# KiCad board Supplemental Monitoring PCB.kicad_pcb
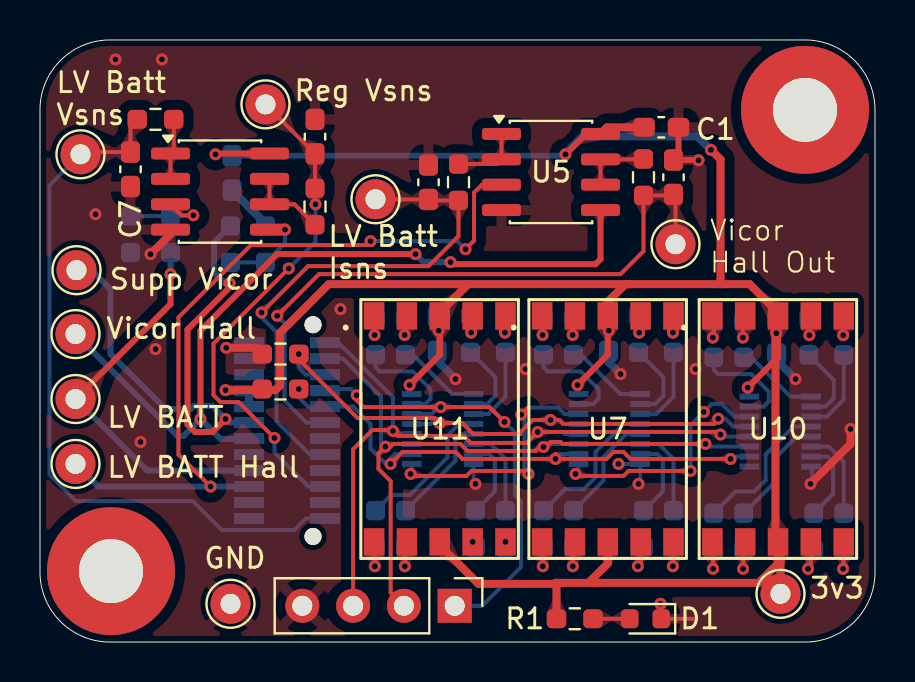
[diagram p0: board, top side]
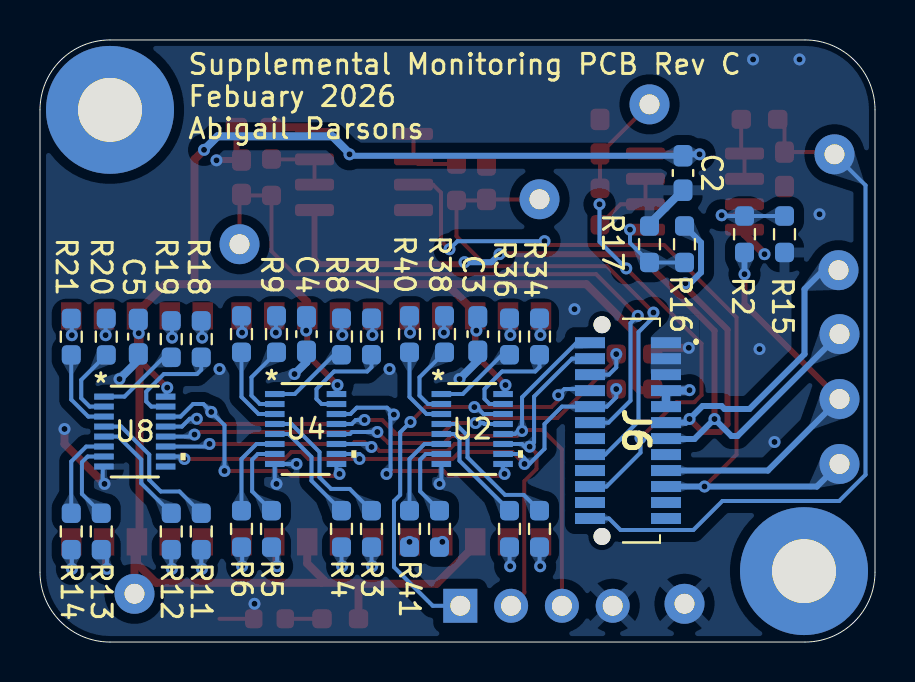
[diagram p1: board, bottom side, seen from below]

Outline 41.75 x 30.14 mm; copper layers: Top, Bottom. Coordinates in mm from the lower left corner of the outline.
Outline path: 0,26.64 arc(1.03,29.11) 3.5,30.14 38.25,30.14 arc(40.72,29.11) 41.75,26.64 41.75,3.5 arc(40.72,1.03) 38.25,0 3.5,0 arc(1.03,1.03) 0,3.5 0,26.64

## Placement (name value [footprint] x y rotation side)
BATT_HALL_IN1  TestPoint  [TestPoint_THTPad_D2.0mm_Drill1.0mm]  1.78 8.91 0 top
BATT_HALL_OUT1  TestPoint  [TestPoint_THTPad_D2.0mm_Drill1.0mm]  16.78 22.16 0 top
C1  1u  [C_0603_1608Metric_Pad1.08x0.95mm_HandSolder]  31.06 25.77 0 top
C2  1u  [C_0603_1608Metric_Pad1.08x0.95mm_HandSolder]  9.6 23.48 270 bottom
C3  .1u  [C_0603_1608Metric_Pad1.08x0.95mm_HandSolder]  19.86 15.41 270 bottom
C4  .1u  [C_0603_1608Metric_Pad1.08x0.95mm_HandSolder]  28.43 15.41 270 bottom
C5  .1u  [C_0603_1608Metric_Pad1.08x0.95mm_HandSolder]  36.83 15.29 270 bottom
C6  1u  [C_0603_1608Metric_Pad1.08x0.95mm_HandSolder]  19.43 23.02 90 top
C7  1u  [C_0603_1608Metric_Pad1.08x0.95mm_HandSolder]  4.53 23.66 270 top
C8  1u  [C_0603_1608Metric_Pad1.08x0.95mm_HandSolder]  31.68 23.27 90 top
C9  1u  [C_0603_1608Metric_Pad1.08x0.95mm_HandSolder]  13.75 25.3 90 top
D1  LED  [LED_0603_1608Metric]  30.28 1.16 180 top
GND1  TestPoint  [TestPoint_THTPad_D2.0mm_Drill1.0mm]  9.53 1.91 0 top
H1  MountingHole_Pad_MP  [MountingHole_3.2mm_M3_Pad_TopBottom]  38.25 26.64 0 top  (not fitted)
H2  MountingHole_Pad_MP  [MountingHole_3.2mm_M3_Pad_TopBottom]  3.55 3.55 0 top  (not fitted)
J1  Conn_01x04  [PinHeader_1x04_P2.54mm_Vertical]  20.74 1.81 270 top  (not fitted)
J6  52465-2470  [524652470]  12.35 10.59 90 bottom
LOGO1  Dr. Hallock  [LHRs_LOGO]  27.78 28.41 0 top  (not fitted)
R1  1k  [R_0603_1608Metric_Pad0.98x0.95mm_HandSolder]  26.74 1.16 0 top
R2  10k  [R_0603_1608Metric_Pad0.98x0.95mm_HandSolder]  6.53 20.41 90 bottom
R3  470  [R_0603_1608Metric_Pad0.98x0.95mm_HandSolder]  25.18 5.66 270 bottom
R4  470  [R_0603_1608Metric_Pad0.98x0.95mm_HandSolder]  26.68 5.66 270 bottom
R5  470  [R_0603_1608Metric_Pad0.98x0.95mm_HandSolder]  30.18 5.66 270 bottom
R6  470  [R_0603_1608Metric_Pad0.98x0.95mm_HandSolder]  31.68 5.66 270 bottom
R7  470  [R_0603_1608Metric_Pad0.98x0.95mm_HandSolder]  25.18 15.29 270 bottom
R8  470  [R_0603_1608Metric_Pad0.98x0.95mm_HandSolder]  26.68 15.29 270 bottom
R9  470  [R_0603_1608Metric_Pad0.98x0.95mm_HandSolder]  29.93 15.41 270 bottom
R10  470  [R_0603_1608Metric_Pad0.98x0.95mm_HandSolder]  31.68 15.41 270 bottom
R11  470  [R_0603_1608Metric_Pad0.98x0.95mm_HandSolder]  33.69 5.54 270 bottom
R12  470  [R_0603_1608Metric_Pad0.98x0.95mm_HandSolder]  35.19 5.54 270 bottom
R13  470  [R_0603_1608Metric_Pad0.98x0.95mm_HandSolder]  38.69 5.54 270 bottom
R14  470  [R_0603_1608Metric_Pad0.98x0.95mm_HandSolder]  40.19 5.54 270 bottom
R15  1k  [R_0603_1608Metric_Pad0.98x0.95mm_HandSolder]  4.53 20.41 270 bottom
R16  10k  [R_0603_1608Metric_Pad0.98x0.95mm_HandSolder]  9.53 19.91 270 bottom
R17  1k  [R_0603_1608Metric_Pad0.98x0.95mm_HandSolder]  11.28 19.91 90 bottom
R18  470  [R_0603_1608Metric_Pad0.98x0.95mm_HandSolder]  33.69 15.16 270 bottom
R19  470  [R_0603_1608Metric_Pad0.98x0.95mm_HandSolder]  35.19 15.16 270 bottom
R20  470  [R_0603_1608Metric_Pad0.98x0.95mm_HandSolder]  38.44 15.29 270 bottom
R21  470  [R_0603_1608Metric_Pad0.98x0.95mm_HandSolder]  40.19 15.29 270 bottom
R22  1k  [R_0603_1608Metric_Pad0.98x0.95mm_HandSolder]  12.03 12.66 0 top
R23  1k  [R_0603_1608Metric_Pad0.98x0.95mm_HandSolder]  12.03 14.41 180 top
R30  150  [R_0603_1608Metric_Pad0.98x0.95mm_HandSolder]  20.93 23.02 270 top
R31  150  [R_0603_1608Metric_Pad0.98x0.95mm_HandSolder]  5.78 26.16 180 top
R32  150  [R_0603_1608Metric_Pad0.98x0.95mm_HandSolder]  30.18 23.27 270 top
R33  150  [R_0603_1608Metric_Pad0.98x0.95mm_HandSolder]  13.75 21.8 90 top
R34  470  [R_0603_1608Metric_Pad0.98x0.95mm_HandSolder]  16.78 15.29 270 bottom
R35  470  [R_0603_1608Metric_Pad0.98x0.95mm_HandSolder]  16.78 5.66 270 bottom
R36  470  [R_0603_1608Metric_Pad0.98x0.95mm_HandSolder]  18.28 15.29 270 bottom
R37  470  [R_0603_1608Metric_Pad0.98x0.95mm_HandSolder]  18.28 5.66 270 bottom
R38  470  [R_0603_1608Metric_Pad0.98x0.95mm_HandSolder]  21.53 15.41 270 bottom
R39  470  [R_0603_1608Metric_Pad0.98x0.95mm_HandSolder]  21.78 5.66 270 bottom
R40  470  [R_0603_1608Metric_Pad0.98x0.95mm_HandSolder]  23.28 15.41 270 bottom
R41  470  [R_0603_1608Metric_Pad0.98x0.95mm_HandSolder]  23.28 5.66 270 bottom
REG_HALL_IN1  TestPoint  [TestPoint_THTPad_D2.0mm_Drill1.0mm]  1.78 15.41 0 top
REG_HALL_OUT1  TestPoint  [TestPoint_THTPad_D2.0mm_Drill1.0mm]  31.78 19.91 0 top
SUPP_BATT1  TestPoint  [TestPoint_THTPad_D2.0mm_Drill1.0mm]  1.78 12.16 0 top
SUPP_BATT_SNS1  TestPoint  [TestPoint_THTPad_D2.0mm_Drill1.0mm]  2.03 24.41 0 top
SUPP_REG1  TestPoint  [TestPoint_THTPad_D2.0mm_Drill1.0mm]  1.83 18.62 0 top
SUPP_REG_SNS1  TestPoint  [TestPoint_THTPad_D2.0mm_Drill1.0mm]  11.28 26.91 0 top
TP_3V3  TestPoint  [TestPoint_THTPad_D2.0mm_Drill1.0mm]  37.03 2.41 0 top
U2  SN74HCS595DYYR  [SNx4HC595]  20.14 10.66 180 bottom
U4  SN74HCS595DYYR  [SNx4HC595]  28.47 10.66 180 bottom
U5  TLV9002QDRQ1  [SOIC-8_3.9x4.9mm_P1.27mm]  25.55 23.53 0 top
U6  TLV9002QDRQ1  [SOIC-8_3.9x4.9mm_P1.27mm]  9 22.55 0 top
U7  INND-SS30RAB  [INND-TS30RAB_INL]  28.38 10.66 0 top
U8  SN74HCS595DYYR  [SNx4HC595]  37.01 10.54 180 bottom
U10  INND-SS30RAB  [INND-TS30RAB_INL]  36.89 10.66 0 top
U11  INND-SS30RAB  [INND-TS30RAB_INL]  19.98 10.66 0 top

## Library data of the parts
BATT_HALL_IN1 BATT_HALL_OUT1 GND1 REG_HALL_IN1 REG_HALL_OUT1 SUPP_BATT1 SUPP_BATT_SNS1 SUPP_REG1 SUPP_REG_SNS1 TP_3V3 = -: Description: test point; ki_fp_filters: Pin* Test*
C1 C2 C6-C9 = -: Datasheet: https://www.mouser.com/ProductDetail/TAIYO-YUDEN/MLASU168SB5105KTNA01?qs=tlsG%2FOw5FFhPjKzzJZMnOQ%3D%3D&srsltid=AfmBOopTmNZI1MJAy5Nn6miLNrdMskjq2-HNO_ept_00EARSQ8Pm_sfv; Description: 1uF capacitor; P/N: MLASU168SB5105KTNA01; LCSC P/N: C15849; ki_fp_filters: C_*
C3-C5 = -: Datasheet: https://www.mouser.com/ProductDetail/TAIYO-YUDEN/MLASH168SB7104KTNA01?qs=tlsG%2FOw5FFi7JK68L1DgIQ%3D%3D&srsltid=AfmBOoq5hBtrZyjOyibA70iXa6JkBoNOb9v9R9h6wL8XASIJhDLizNJX; Description: .1uF cap; P/N: MLASH168SB7104KTNA01; LCSC P/N: C14663; ki_fp_filters: C_*
D1 = -: Datasheet: https://www.digikey.com/en/products/detail/xinglight/XL-1608UBC-06A/25673128; Description: Blue LED; P/N: XL-1608UBC-06A; LCSC P/N: C7371904; ki_fp_filters: LED* LED_SMD:* LED_THT:*
H1 H2 = -: Description: Mounting Hole with connection as pad named MP; ki_fp_filters: MountingHole*Pad*
J1 = -: Description: Generic connector, single row, 01x04, script generated (kicad-library-utils/schlib/autogen/connector/); ki_fp_filters: Connector*:*_1x??_*
J6 = -: Datasheet: https://www.molex.com/pdm_docs/sd/524652470_sd.pdf; Description: 24 pin board-board connector; Height: 3.55; Mouser Part Number: 538-52465-2470; Mouser Price/Stock: https://www.mouser.co.uk/ProductDetail/Molex/52465-2470?qs=sEN%2FkO1EG6Yhu4DkZwbE7Q%3D%3D; Manufacturer_Name: Molex
LOGO1 = -: Description: Graph footprint placeholder
R1 R15 R17 R22 R23 = -: Description: Resistor; P/N: CRCW06031K00FKEI; LCSC P/N: C21190; ki_fp_filters: R_*
R2 R16 = -: Description: Resistor; P/N: CRCW060310K0FKEI; LCSC P/N: C25804; ki_fp_filters: R_*
R3-R14 R18-R21 R34-R41 = -: Datasheet: https://www.mouser.com/ProductDetail/Vishay/CRCW1206470RFKEA?qs=9sFvXT%252Bien0hfb5%2FAQcBUQ%3D%3D&srsltid=AfmBOopzipNdwxc-LEDcTLB8E0kWvmUQzNzLfx8FNvko4GvG3eBfmF9X; Description: Resistor; LCSC P/N: C23179; P/N: CRCW1206470RFKEA; ki_fp_filters: R_*
R30-R33 = -: Datasheet: https://www.mouser.com/ProductDetail/Vishay/CRCW0603150RFKEC?qs=dVKjMuIf%252B56log6EO%2F2KDw%3D%3D&srsltid=AfmBOoqGIJEXtUUu8TSeEf3y9yGhdpMg36qRdzZvb5YlEKoFrRTCgVY_; Description: Resistor; P/N: CRCW0603150RFKEC; LCSC P/N: C22808; ki_fp_filters: R_*
U2 U4 U8 = -: Datasheet: https://www.ti.com/lit/ds/symlink/sn74hc595.pdf?ts=1759140099617&ref_url=https%253A%252F%252Fwww.ti.com%252Fproduct%252FSN74HC595%253FkeyMatch%253D74hc595%2526tisearch%253Duniversal_search; Description: 8-bit shift registers with 3-state output registers; LCSC: C3304269
U5 U6 = -: Datasheet: kicad-embed://tlv9002-q1.pdf; Mouser P/N: 595-TLV9002QDRQ1; Digikey P/N: 296-TLV9002QDRQ1CT-ND; JLC P/N: C2860922; ki_fp_filters: VSSOP*3x3mm*P0.65mm*
U7 U10 U11 = -: Datasheet: https://www.inolux-corp.com/datasheet/Display/SMD-Display/INND-SS30%20Series_V1.0.pdf; Description: SMD Single Digit Display; ki_fp_filters: SOT10_INND-TS30RAB_INL

## Footprints (pads in the part's own frame, mm; a bottom-side part is the same pattern mirrored in y, then rotated)
524652470
  round 0.85 hole 0.85 unplated: (-5.3,1.3) (5.3,1.3)
  rect 0.55x1.5 smd: 1(4.4,-1.9) 2(4.4,1.9) 3(3.6,-1.9) 4(3.6,1.9) 5(2.8,-1.9) 6(2.8,1.9) 7(2,-1.9) 8(2,1.9) 9(1.2,-1.9) 10(1.2,1.9) 11(0.4,-1.9) 12(0.4,1.9) 13(-0.4,-1.9) 14(-0.4,1.9) 15(-1.2,-1.9) 16(-1.2,1.9) 17(-2,-1.9) 18(-2,1.9) 19(-2.8,-1.9) 20(-2.8,1.9) 21(-3.6,-1.9) 22(-3.6,1.9) 23(-4.4,-1.9) 24(-4.4,1.9)
C_0603_1608Metric_Pad1.08x0.95mm_HandSolder
  rrect 1.075x0.95 smd: 1(-0.863,0) 2(0.863,0)
INND-TS30RAB_INL
  rect 1.025x1.364 smd: 1(-3.277,-5.65) 2(-1.635,-5.65) 3(0.007,-5.65) 4(1.65,-5.65) 5(3.292,-5.65) 6(3.292,5.66) 7(1.65,5.66) 8(0.007,5.66) 9(-1.635,5.66) 10(-3.277,5.66)
LED_0603_1608Metric
  rrect 0.875x0.95 smd: 1(-0.787,0) 2(0.787,0)
MountingHole_3.2mm_M3_Pad_TopBottom
  round 3.6 hole 3.2: 1(0,0)
  round 6.4 smd: 1(0,0)
  round 6.4 smd far side: 1(0,0)
PinHeader_1x04_P2.54mm_Vertical
  rect 1.7x1.7 hole 1: 1(0,0)
  round 1.7 hole 1: 2(0,-2.54) 3(0,-5.08) 4(0,-7.62)
R_0603_1608Metric_Pad0.98x0.95mm_HandSolder
  rrect 0.975x0.95 smd: 1(-0.912,0) 2(0.912,0)
SNx4HC595
  rect 0.978x0.305 smd: 1(-1.543,1.75) 2(-1.543,1.25) 3(-1.543,0.75) 4(-1.543,0.25) 5(-1.543,-0.25) 6(-1.543,-0.75) 7(-1.543,-1.25) 8(-1.543,-1.75) 9(1.543,-1.75) 10(1.543,-1.25) 11(1.543,-0.75) 12(1.543,-0.25) 13(1.543,0.25) 14(1.543,0.75) 15(1.543,1.25) 16(1.543,1.75)
SOIC-8_3.9x4.9mm_P1.27mm
  rrect 1.95x0.6 smd: 1(-2.475,1.905) 2(-2.475,0.635) 3(-2.475,-0.635) 4(-2.475,-1.905) 5(2.475,-1.905) 6(2.475,-0.635) 7(2.475,0.635) 8(2.475,1.905)
TestPoint_THTPad_D2.0mm_Drill1.0mm
  round 2 hole 1: 1(0,0)

## Nets
+3.3V: C1.1 C2.1 C3.1 C4.1 C5.1 J6.7 J6.9 R1.1 R22.1 TP_3V3.1 U2.16 U4.16 U5.8 U6.8 U7.3 U7.8 U8.16 U10.3 U10.8 U11.3 U11.8
/VoltageSense/vin1_divided: R2.2 R15.1 U6.3
/VoltageSense/vin2_divided: R16.2 R17.1 U6.5
GND: C1.2 C2.2 C3.2 C4.2 C5.2 C6.2 C7.2 C8.2 C9.2 D1.1 GND1.1 J1.4 J6.1 J6.3 J6.5 R15.2 R17.2 R23.2 U2.8 U4.8 U5.4 U6.4 U8.8
/RCLK: J1.3 J6.2 U2.12 U4.12 U8.12
/SER: J1.1 J6.8 U2.14
/Seven Segment/1a: R34.2 U2.15
/Seven Segment/1b: R36.2 U2.1
/Seven Segment/1c: R38.2 U2.2
/Seven Segment/1d: R40.2 U2.3
/Seven Segment/1e: R35.1 U2.4
/Seven Segment/1f: R37.1 U2.5
/Seven Segment/1g: R41.1 U2.6
/Seven Segment/1h: R39.1 U2.7
/Seven Segment/2a: R7.2 U4.15
/Seven Segment/2b: R8.2 U4.1
/Seven Segment/2c: R9.2 U4.2
/Seven Segment/2d: R10.2 U4.3
/Seven Segment/2e: R3.1 U4.4
/Seven Segment/2f: R4.1 U4.5
/Seven Segment/2g: R6.1 U4.6
/Seven Segment/2h: R5.1 U4.7
/Seven Segment/3a: R18.2 U8.15
/Seven Segment/3b: R19.2 U8.1
/Seven Segment/3c: R20.2 U8.2
/Seven Segment/3d: R21.2 U8.3
/Seven Segment/3e: R11.1 U8.4
/Seven Segment/3f: R12.1 U8.5
/Seven Segment/3g: R14.1 U8.6
/Seven Segment/3h: R13.1 U8.7
/SRCLK: J1.2 J6.4 U2.11 U4.11 U8.11
/Supp_Batt_I: BATT_HALL_IN1.1 J6.19 U5.3
/Supp_Batt_Isns: BATT_HALL_OUT1.1 C6.1 J6.16 R30.2
/Supp_Batt_Vin: J6.17 R2.1 SUPP_BATT1.1
/Supp_Batt_Vsns: C7.1 J6.24 R31.2 SUPP_BATT_SNS1.1
/Supp_Reg_I: J6.13 REG_HALL_IN1.1 U5.5
/Supp_Reg_Isns: C8.1 J6.12 R32.2 REG_HALL_OUT1.1
/SuppReg_Vin: J6.11 R16.1 SUPP_REG1.1
/SuppReg_Vsns: C9.1 J6.20 R33.2 SUPP_REG_SNS1.1
/~{OE}: J6.6 R23.1 U2.13 U4.13 U8.13
/~{SRCLR}: J6.10 R22.2 U2.10 U4.10 U8.10
Net-(D1-A): D1.2 R1.2
Net-(R3-Pad2): R3.2 U7.1
Net-(R4-Pad2): R4.2 U7.2
Net-(R5-Pad2): R5.2 U7.4
Net-(R6-Pad2): R6.2 U7.5
Net-(R7-Pad1): R7.1 U7.10
Net-(R8-Pad1): R8.1 U7.9
Net-(R9-Pad1): R9.1 U7.7
Net-(R10-Pad1): R10.1 U7.6
Net-(R11-Pad2): R11.2 U10.1
Net-(R12-Pad2): R12.2 U10.2
Net-(R13-Pad2): R13.2 U10.4
Net-(R14-Pad2): R14.2 U10.5
Net-(R18-Pad1): R18.1 U10.10
Net-(R19-Pad1): R19.1 U10.9
Net-(R20-Pad1): R20.1 U10.7
Net-(R21-Pad1): R21.1 U10.6
Net-(R34-Pad1): R34.1 U11.10
Net-(R35-Pad2): R35.2 U11.1
Net-(R36-Pad1): R36.1 U11.9
Net-(R37-Pad2): R37.2 U11.2
Net-(R38-Pad1): R38.1 U11.7
Net-(R39-Pad2): R39.2 U11.4
Net-(R40-Pad1): R40.1 U11.6
Net-(R41-Pad2): R41.2 U11.5
Net-(U2-QH'): U2.9 U4.14
Net-(U4-QH'): U4.9 U8.14
Net-(U5A--): R30.1 U5.1 U5.2
Net-(U5B--): R32.1 U5.6 U5.7
Net-(U6A--): R31.1 U6.1 U6.2
Net-(U6B--): R33.1 U6.6 U6.7

Pads without a net: H1 1; H2 1; J6 14 15 18 21 22 23; U8 9

## Via types
v1: diameter 0.6, hole 0.3, Top to Bottom, 93 vias

## Routing (per net, layer and track width the routed paths; a pad name or vN(x,y) marks a point on that pad's centre or on a via; arc(x,y) is an arc through that point)
+3.3V: length 132.2
  Top w0.3: 19.99,15.41 U11.8 19.99,14.38 ; 19.99,15.41 19.99,15.53 v1(19.93,15.59) ; 19.99,15.41 19.99,14.38 ; U6.8 8.81,24.45 v1(8.78,24.41) ; 19.99,14.38 v1(18.48,12.87) ; U5.8 27.3,25.43 v1(26.28,24.41) ; 36.9,16.2 36.9,14.25 v1(35.39,12.74) ; v1(26.88,12.87) 28.39,14.38 U7.8
  Top w0.4: 25.83,2.91 21.92,2.91 19.99,4.85 U11.3 ; 25.83,2.91 25.78,2.96 27.68,2.96 ; 25.83,2.91 R1.1 25.95,1.29 ; 21.41,17.91 19.99,16.49 U11.8 ; 21.41,17.91 14.44,17.91 12,15.48 12,12.84 11.78,12.61 v1(9.28,12.61) ; 21.41,17.91 29.53,17.91 ; U5.8 28.36,25.77 30.2,25.77 ; 27.68,2.96 35.93,2.96 36.9,3.93 U10.3 ; 27.68,2.96 27.55,3.09 28.39,3.93 U7.3 ; 34.03,17.91 29.53,17.91 ; 34.03,17.91 35.48,17.91 36.9,16.49 U10.8 ; 34.03,17.91 34.03,24.16 v1(33.55,24.64) ; 29.53,17.91 29.28,17.91 28.39,17.03 U7.8 ; U10.3 36.78,5.14 36.78,15.42 v1(36.81,15.46) ; U10.3 37.03,4.89 TP_3V3.1
  Bottom w0.2: v1(26.88,12.87) 26.93,12.82 U4.16 ; 36.94,16.04 36.94,15.58 v1(36.81,15.46) ; 35.44,12.29 35.44,12.69 v1(35.39,12.74) ; 28.43,16.16 28.43,15.6 v1(28.44,15.59) ; v1(18.48,12.87) 18.53,12.82 18.53,12.42
  Bottom w0.3: v1(8.78,24.41) 9.53,24.41 C2.1 26.2,24.34 v1(26.28,24.41)
  Bottom w0.4: J6.9 J6.7 9.3,12.59 v1(9.28,12.61) ; v1(33.55,24.64) 32.87,25.31 27.12,25.31 26.28,24.46 v1(26.28,24.41)
/VoltageSense/vin1_divided: length 4.5
  Top w0.2: U6.3 7.08,21.36 v1(7.67,21.36)
  Bottom w0.2: R15.1 R2.2 7.63,21.33 v1(7.67,21.36)
/VoltageSense/vin2_divided: length 4.6
  Top w0.2: v1(12.25,20.64) U6.5
  Bottom w0.2: R16.2 R17.1 12.25,19.98 v1(12.25,20.64)
GND: length 24
  Top w0.2: 32.78,1.16 D1.1 31.06,1.88 v1(31.03,1.91)
  Top w0.3: C1.2 31.93,24.38 C8.2 32.91,24.13 v1(32.93,24.11)
  Top w0.4: U6.4 6.53,20.41 v1(5.53,19.41) ; v1(38.53,7.91) 40.53,9.91 v1(40.53,10.66) ; v1(9.31,14.73) 10.8,14.73 R23.2
  Bottom w0.2: v1(38.53,7.91) 38.61,8 38.61,8.79 ; U2.8 21.68,8.01 v1(21.78,7.91) ; v1(28.93,8.91) 28.93,8.91 U4.8 30.01,8 v1(29.93,7.91)
  Bottom w0.4: v1(37.78,13.16) 36.83,14.11 C5.2 ; C3.2 19.86,14.08 v1(20.78,13.16) ; v1(29.03,13.41) 28.43,14.01 C4.2 ; R17.2 11.28,20.94 C2.2
  vias: v1(2.78,21.41) v1(3.78,29.16) v1(5.03,10.02) v1(5.78,14.66) v1(6.1,29.16) v1(15.03,16.66) v1(24.28,13.66) v1(32.78,13.66)
/RCLK: length 37.9
  Top w0.2: J1.3 15.66,9.64 16.62,10.62 17.6,10.62 v1(17.65,10.57) 17.9,10.32 21.19,10.32 21.54,9.97 24.34,9.97 v1(24.88,10.51) 24.89,10.52 33.89,10.52 v1(34.03,10.39)
  Bottom w0.2: U2.12 18,10.41 17.85,10.57 v1(17.65,10.57) 17.65,12.25 14.92,14.98 J6.2 ; U4.12 26.25,10.41 26.15,10.51 v1(24.88,10.51) ; v1(34.03,10.39) 34.12,10.29 U8.12
/SER: length 23.1
  Top w0.2: v1(23.22,11.02) 22.48,11.76 v1(20.03,11.76) 16.18,11.76 15.84,12.1 v1(15.84,12.36)
  Bottom w0.2: v1(23.22,11.02) 23.74,10.5 23.74,7.37 24.05,7.06 24.05,3.75 22.11,1.81 J1.1 ; J6.8 14.33,12.66 15.53,12.66 v1(15.84,12.36) ; U2.14 19.58,11.41 19.92,11.76 v1(20.03,11.76)
/Seven Segment/1a: length 5.4
  Bottom w0.2: 18.53,11.91 19.27,11.91 19.53,12.17 19.53,12.66 18.65,13.54 16.99,13.54 16.78,13.76 R34.2
/Seven Segment/1b: length 4.2
  Bottom w0.2: 21.61,12.42 20.61,12.42 18.65,14.38 R36.2
/Seven Segment/1c: length 4
  Bottom w0.2: R38.2 22.78,13.25 22.78,12.34 22.35,11.91 21.61,11.91
/Seven Segment/1d: length 4.3
  Bottom w0.2: 21.61,11.41 22.42,11.41 23.28,12.27 R40.2
/Seven Segment/1e: length 7.3
  Bottom w0.2: U2.4 20.96,10.91 20.37,10.33 20.37,9.24 18.5,7.37 17.56,7.37 R35.1
/Seven Segment/1f: length 5.6
  Bottom w0.2: R37.1 20.78,9.08 20.78,10.16 21.03,10.41 21.61,10.41
/Seven Segment/1g: length 4.6
  Bottom w0.2: 21.61,9.91 22.53,9.91 23.28,9.16 R41.1
/Seven Segment/1h: length 4.2
  Bottom w0.2: R39.1 22.74,7.54 22.74,9.13 22.46,9.41 21.61,9.41
/Seven Segment/2a: length 5.4
  Bottom w0.2: R7.2 25.18,13.76 25.39,13.54 27.05,13.54 27.93,12.66 27.93,12.17 27.67,11.91 U4.15
/Seven Segment/2b: length 4.2
  Bottom w0.2: U4.1 29.01,12.42 27.05,14.38 R8.2
/Seven Segment/2c: length 4
  Bottom w0.2: U4.2 30.76,11.91 31.18,12.34 31.18,13.25 R9.2
/Seven Segment/2d: length 4.3
  Bottom w0.2: R10.2 31.68,12.27 30.82,11.41 U4.3
/Seven Segment/2e: length 7.4
  Bottom w0.2: U4.4 29.18,10.91 27.78,9.51 27.78,8.24 27.2,7.66 26.26,7.66 R3.1
/Seven Segment/2f: length 5.6
  Bottom w0.2: R4.1 28.18,8.08 28.18,9.27 29.32,10.41 U4.5
/Seven Segment/2g: length 4.6
  Bottom w0.2: U4.6 30.93,9.91 31.68,9.16 R6.1
/Seven Segment/2h: length 4.2
  Bottom w0.2: R5.1 31.14,7.54 31.14,9.13 30.86,9.41 U4.7
/Seven Segment/3a: length 5.4
  Bottom w0.2: 35.44,11.79 36.18,11.79 36.44,12.04 36.44,12.54 35.56,13.41 33.9,13.41 33.69,13.63 R18.2
/Seven Segment/3b: length 4.2
  Bottom w0.2: 38.52,12.29 37.52,12.29 35.56,14.25 R19.2
/Seven Segment/3c: length 4
  Bottom w0.2: 38.52,11.79 39.27,11.79 39.69,12.21 39.69,13.12 R20.2
/Seven Segment/3d: length 4.3
  Bottom w0.2: R21.2 40.19,12.14 39.33,11.29 38.52,11.29
/Seven Segment/3e: length 7.4
  Bottom w0.2: R11.1 34.78,7.54 35.71,7.54 36.29,8.11 36.29,9.39 37.69,10.79 37.69,10.79 38.52,10.79
/Seven Segment/3f: length 5.6
  Bottom w0.2: R12.1 36.69,7.95 36.69,9.14 37.83,10.29 38.52,10.29
/Seven Segment/3g: length 4.6
  Bottom w0.2: R14.1 40.19,9.04 39.44,9.79 38.52,9.79
/Seven Segment/3h: length 4.2
  Bottom w0.2: R13.1 39.65,7.41 39.65,9 39.37,9.29 38.52,9.29
/SRCLK: length 36.7
  Top w0.2: J1.2 17.53,2.48 17.53,8.06 16.92,8.67 16.92,9.44 v1(17.27,9.78) 17.52,9.78 17.65,9.91 17.71,9.91 17.71,9.92 21.02,9.92 21.37,9.57 24.78,9.57 24.98,9.77 v1(25.18,9.77) 25.28,9.77 25.53,10.02 26.02,10.02 26.12,9.92 v1(33.28,9.92)
  Bottom w0.2: U4.11 25.32,9.91 v1(25.18,9.77) ; v1(33.28,9.92) 33.41,9.79 U8.11 ; U2.11 17.65,9.91 17.52,9.78 v1(17.27,9.78) 17.05,10 17.05,12.29 15.15,14.19 J6.4
/Supp_Batt_I: length 38.9
  Top w0.2: v1(21.28,19.66) 21.7,20.09 21.7,22.5 22.1,22.89 U5.3 ; v1(16.53,20.07) 16.33,19.87 10.54,19.87 6.92,16.25 6.92,9.39 v1(8.53,7.78)
  Bottom w0.2: v1(16.53,20.07) 20.87,20.07 v1(21.28,19.66)
  Bottom w0.3: BATT_HALL_IN1.1 2.91,7.78 v1(8.53,7.78) J6.19
/Supp_Batt_Isns: length 26.3
  Top w0.2: v1(11.08,16.49) 13.4,18.82 19.43,18.82 20.93,20.31 R30.2 19.47,22.1 C6.1 16.78,22.16 BATT_HALL_OUT1.1
  Bottom w0.2: v1(11.08,16.49) 11.08,16.26 11.82,15.52 11.82,11.05 13.49,9.38 J6.16
/Supp_Batt_Vin: length 19.5
  Top w0.3: v1(6.53,18.41) 6.53,16.91 SUPP_BATT1.1
  Bottom w0.3: J6.17 5.36,8.59 SUPP_BATT1.1 ; v1(6.53,18.41) R2.1
/Supp_Batt_Vsns: length 36.2
  Top w0.2: R31.2 4.53,25.83 C7.1 2.14,24.53 SUPP_BATT_SNS1.1
  Bottom w0.2: SUPP_BATT_SNS1.1 0.47,22.86 0.47,8.38 1.79,7.06 7.63,7.06 9.08,5.61 12.72,5.61 13.3,6.19 J6.24
/Supp_Reg_I: length 40.3
  Top w0.3: v1(18.78,19.42) 11.86,19.42 8.03,15.59 v1(8.03,11.16) ; U5.5 28.03,19.16 27.78,18.91 20.63,18.91 v1(20.53,19.02)
  Bottom w0.3: v1(20.53,19.02) 19.18,19.02 v1(18.78,19.42) ; REG_HALL_IN1.1 6.88,10.31 7.18,10.31 v1(8.03,11.16) 9.03,10.16 10.43,10.16 J6.13
/Supp_Reg_Isns: length 33.4
  Top w0.2: REG_HALL_OUT1.1 31.78,22.3 C8.1 31.62,22.35 R32.2 30.18,19.57 29.03,18.42 13.95,18.42 v1(11.86,16.33)
  Bottom w0.2: v1(11.86,16.33) 12.22,15.96 12.22,12.09 13.33,10.98 J6.12
/SuppReg_Vin: length 27.8
  Top w0.3: v1(9.48,17.96) 9.48,17.75 7.37,15.64 7.37,10.9 7.76,10.51 8.62,10.51 v1(9.27,11.16)
  Bottom w0.3: R16.1 8.7,20 8.7,18.5 9.24,17.96 v1(9.48,17.96) ; SUPP_REG1.1 2.58,18.62 3.53,17.66 3.53,14.41 6.27,11.67 7.53,11.67 7.68,11.82 8.62,11.82 v1(9.27,11.16) 9.45,10.98 J6.11
/SuppReg_Vsns: length 25.6
  Top w0.2: v1(11.72,10.21) 9.93,12.01 9.03,12.01 8.67,12.36 8.67,14.94 v1(12.44,18.7) ; SUPP_REG_SNS1.1 13.75,24.44 C9.1 R33.2 13.75,21.94 v1(13.78,21.91)
  Bottom w0.2: J6.20 13.42,7.78 11.72,9.48 v1(11.72,10.21) ; v1(13.78,21.91) 13.78,20.04 v1(12.44,18.7)
/~{OE}: length 30.1
  Top w0.2: v1(33.91,11.18) 33.91,11.12 33.71,10.92 26.16,10.92 25.96,11.12 v1(25.53,11.12) 24.64,11.12 24.03,10.51 24.03,10.41 21.66,10.41 21.11,10.96 v1(19.98,10.96) 19.72,11.21 15.88,11.21 12.94,14.15 v1(12.94,14.41)
  Bottom w0.2: v1(12.94,14.41) 12.94,13.75 13.3,13.38 J6.6 ; v1(33.91,11.18) 34.26,11.18 34.66,10.79 U8.13 ; v1(25.53,11.12) 25.96,11.12 26.16,10.91 U4.13 ; U2.13 19.52,10.91 19.57,10.96 v1(19.98,10.96)
/~{SRCLR}: length 29.1
  Top w0.2: 25.78,9.41 25.53,9.16 21.12,9.16 20.77,9.52 18.13,9.52 v1(17.53,8.91) ; 25.78,9.41 26.03,9.16 28.33,9.16 28.68,9.52 29.17,9.52 29.53,9.16 v1(34.53,9.16) ; 25.78,9.41 v1(25.78,9.16)
  Bottom w0.2: U4.10 25.78,9.41 25.78,9.41 v1(25.78,9.16) ; v1(12.94,12.66) 12.94,12.25 13.41,11.78 J6.10 15.66,11.78 16.53,10.91 16.53,9.67 17.28,8.91 v1(17.53,8.91) 17.53,9.19 17.75,9.41 U2.10 ; 35.53,9.29 34.65,9.29 v1(34.53,9.16)
Net-(D1-A): length 1.8
  Top w0.2: R1.2 D1.2
Net-(R3-Pad2): length 2.2
  Top w0.2: v1(25.14,3.79) 25.14,4.98 U7.1
  Bottom w0.2: R3.2 25.18,3.83 v1(25.14,3.79)
Net-(R4-Pad2): length 2.2
  Top w0.2: U7.2 26.64,4.91 v1(26.64,3.79)
  Bottom w0.2: R4.2 26.68,3.83 v1(26.64,3.79)
Net-(R5-Pad2): length 2.4
  Top w0.2: U7.4 30.03,3.93 v1(29.89,3.79)
  Bottom w0.2: v1(29.89,3.79) 29.89,4.47 R5.2
Net-(R6-Pad2): length 2.2
  Top w0.2: v1(31.64,3.79) 31.68,3.83 U7.5
  Bottom w0.2: R6.2 31.64,4.72 v1(31.64,3.79)
Net-(R7-Pad1): length 0.9
  Bottom w0.2: R7.1 25.13,16.16 v1(25.13,15.37)
Net-(R8-Pad1): length 1.7
  Top w0.2: R8.1 26.63,16.16 v1(26.63,15.37)
  Bottom w0.2: v1(26.63,15.37) 26.68,15.41 R8.1
Net-(R9-Pad1): length 1.7
  Top w0.2: U7.7 29.96,16.25 v1(29.96,15.49)
  Bottom w0.2: R9.1 29.96,16.3 v1(29.96,15.49)
Net-(R10-Pad1): length 1.7
  Top w0.2: U7.6 31.65,16.3 v1(31.65,15.49)
  Bottom w0.2: R10.1 31.65,16.3 v1(31.65,15.49)
Net-(R11-Pad2): length 2.2
  Top w0.2: 33.62,4.89 33.65,4.85 v1(33.65,3.66)
  Bottom w0.2: R11.2 33.69,3.7 v1(33.65,3.66)
Net-(R12-Pad2): length 2.2
  Top w0.2: 35.26,4.89 35.15,4.78 v1(35.15,3.66)
  Bottom w0.2: v1(35.15,3.66) 35.19,3.7 R12.2
Net-(R13-Pad2): length 2.4
  Top w0.2: v1(38.4,3.66) 38.54,3.81 38.54,4.89
  Bottom w0.2: v1(38.4,3.66) 38.4,4.34 R13.2
Net-(R14-Pad2): length 2.2
  Top w0.2: v1(40.15,3.66) 40.19,3.7 40.19,4.89
  Bottom w0.2: R14.2 40.15,4.59 v1(40.15,3.66)
Net-(R18-Pad1): length 2.1
  Top w0.2: 33.68,16.32 33.7,16.3 33.7,15.24 ; R18.1 33.69,16.13 33.62,16.2
  Bottom w0.2: R18.1 33.64,16.03 v1(33.64,15.24)
Net-(R19-Pad1): length 1.7
  Top w0.2: R19.1 35.15,16.04 v1(35.15,15.24)
  Bottom w0.2: R19.1 35.15,16.04 v1(35.15,15.24)
Net-(R20-Pad1): length 1.7
  Top w0.2: v1(38.47,15.36) 38.47,16.12 38.54,16.2
  Bottom w0.2: R20.1 38.47,16.17 v1(38.47,15.36)
Net-(R21-Pad1): length 1.7
  Top w0.2: v1(40.16,15.36) 40.16,16.17 40.19,16.2
  Bottom w0.2: R21.1 40.16,16.17 v1(40.16,15.36)
Net-(R34-Pad1): length 0.9
  Bottom w0.2: v1(16.73,15.37) 16.73,16.16 R34.1
Net-(R35-Pad2): length 2.2
  Top w0.2: U11.1 16.74,4.98 v1(16.74,3.79)
  Bottom w0.2: v1(16.74,3.79) 16.78,3.83 R35.2
Net-(R36-Pad1): length 1.7
  Top w0.2: v1(18.23,15.37) 18.23,16.16 R36.1
  Bottom w0.2: R36.1 18.23,16.16 v1(18.23,15.37)
Net-(R37-Pad2): length 2.2
  Top w0.2: U11.2 18.24,4.91 v1(18.24,3.79)
  Bottom w0.2: v1(18.24,3.79) 18.28,3.83 R37.2
Net-(R38-Pad1): length 1.7
  Top w0.2: v1(21.56,15.49) 21.56,16.25 U11.7
  Bottom w0.2: R38.1 21.56,16.3 v1(21.56,15.49)
Net-(R39-Pad2): length 1
  Bottom w0.2: v1(21.63,5.01) 21.49,4.87 21.49,4.47 R39.2
Net-(R40-Pad1): length 1.7
  Top w0.2: U11.6 23.25,16.3 v1(23.25,15.49)
  Bottom w0.2: v1(23.25,15.49) 23.25,16.3 R40.1
Net-(R41-Pad2): length 0.4
  Bottom w0.2: v1(23.27,5.01) 23.24,4.98 23.24,4.72 R41.2
Net-(U2-QH'): length 13.4
  Top w0.2: v1(24.43,8.41) 24.28,8.56 21.58,8.56 21.32,8.31 18.63,8.31 v1(18.53,8.41) ; 24.39,11.72 v1(24.06,11.38)
  Bottom w0.2: U2.9 18.6,8.49 v1(18.53,8.41) ; v1(24.43,8.41) 24.22,8.62 24.22,11.21 v1(24.06,11.38) 24.4,11.73 25.91,11.73 26.23,11.41 U4.14
Net-(U4-QH'): length 12.4
  Top w0.2: v1(26.78,8.41) 26.88,8.31 29.17,8.31 29.43,8.56 v1(32.53,8.56)
  Bottom w0.2: v1(32.53,8.56) 32.53,10.86 v1(33.19,11.52) 33.58,11.91 34.09,11.91 34.72,11.29 U8.14 ; v1(26.78,8.41) 26.93,8.57 U4.9
Net-(U5A--): length 3.5
  Top w0.2: U5.1 U5.2 22.84,23.93 R30.1
Net-(U5B--): length 3.4
  Top w0.2: R32.1 30.16,24.16 U5.7 U5.6
Net-(U6A--): length 3
  Top w0.2: R31.1 6.69,24.62 U6.1 U6.2
Net-(U6B--): length 4
  Top w0.2: U6.7 U6.6 12.72,21.91 R33.1

## Copper pours and planes (outline as drawn; the poured copper is in the pictures)
GND on Top, Bottom: 11.53,12.91 11.53,16.41 8.78,16.41 8.78,12.91
GND on Top, Bottom: 42.03,-0.59 42.28,30.41 -0.22,30.66 -0.47,-0.09

Small or netless copper shapes (teardrops, artwork), in the pictures only: 141 on Top, 142 on Bottom

## Text on the board
B.Silkscreen: Abigail Parsons / Supplemental Monitoring PCB | Supplemental Monitoring PCB Rev C / Febuary 2026 / Abigail Parsons
F.Silkscreen: Vicor / Hall Out | LV Batt / Vsns | Vicor Hall | LV BATT | LV BATT Hall | Supp Vicor | GND | Reg Vsns | LV Batt / Isns | 3v3
